# Altium PCB DSO.PcbDoc (part 1 of 2)
Units mil, origin at the board's own origin, x right, y up, seen from the top; angles counter-clockwise.
Board outline 4330.71 x 3937.01 mil, 2 copper layers (Top Layer, Bottom Layer), stack 61.855 mil thick; 136 components, 119 nets, 542 pads, 136 vias.
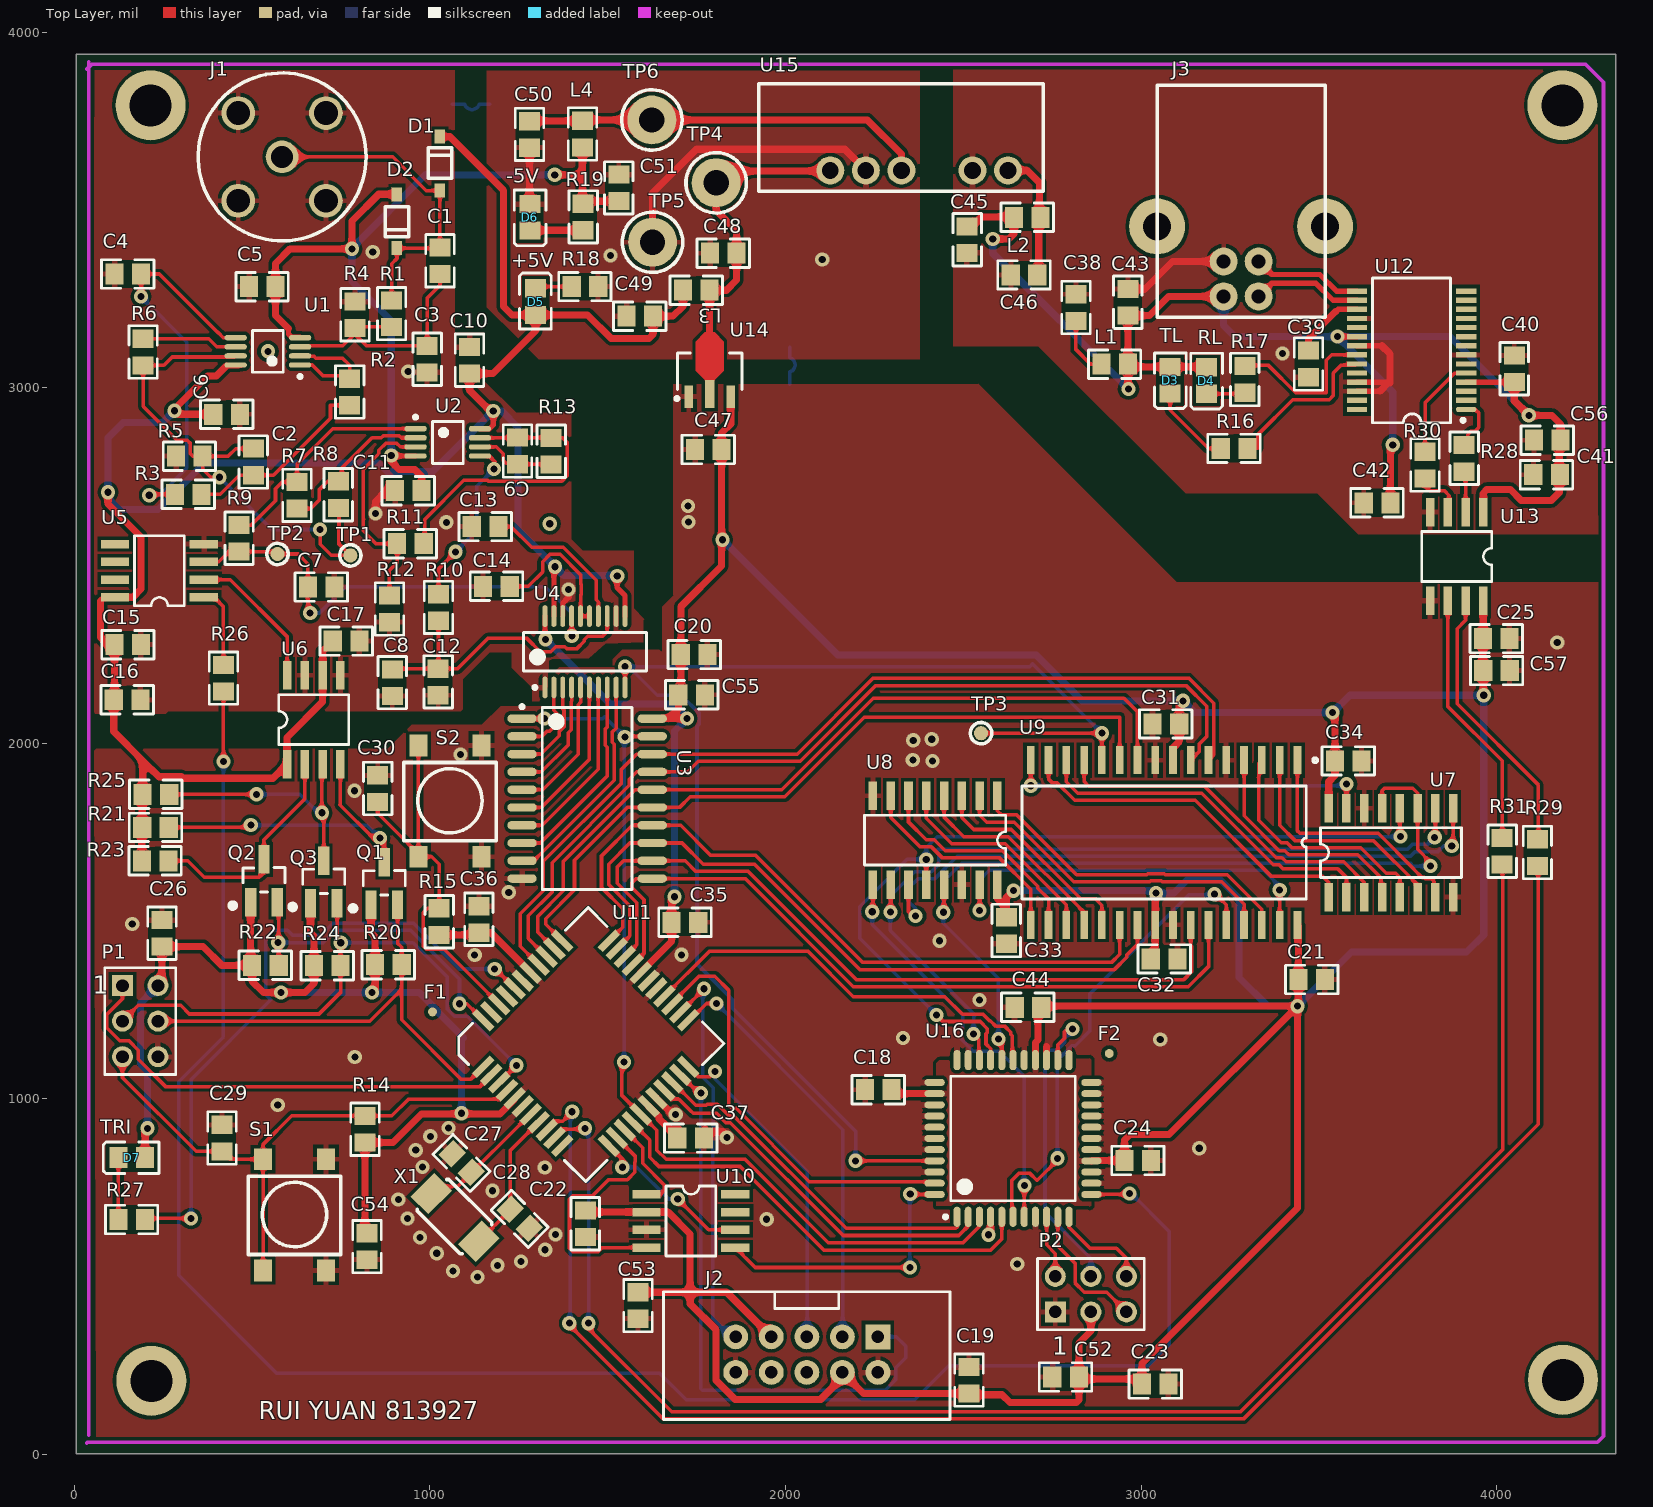
[diagram p0: Top Layer view]
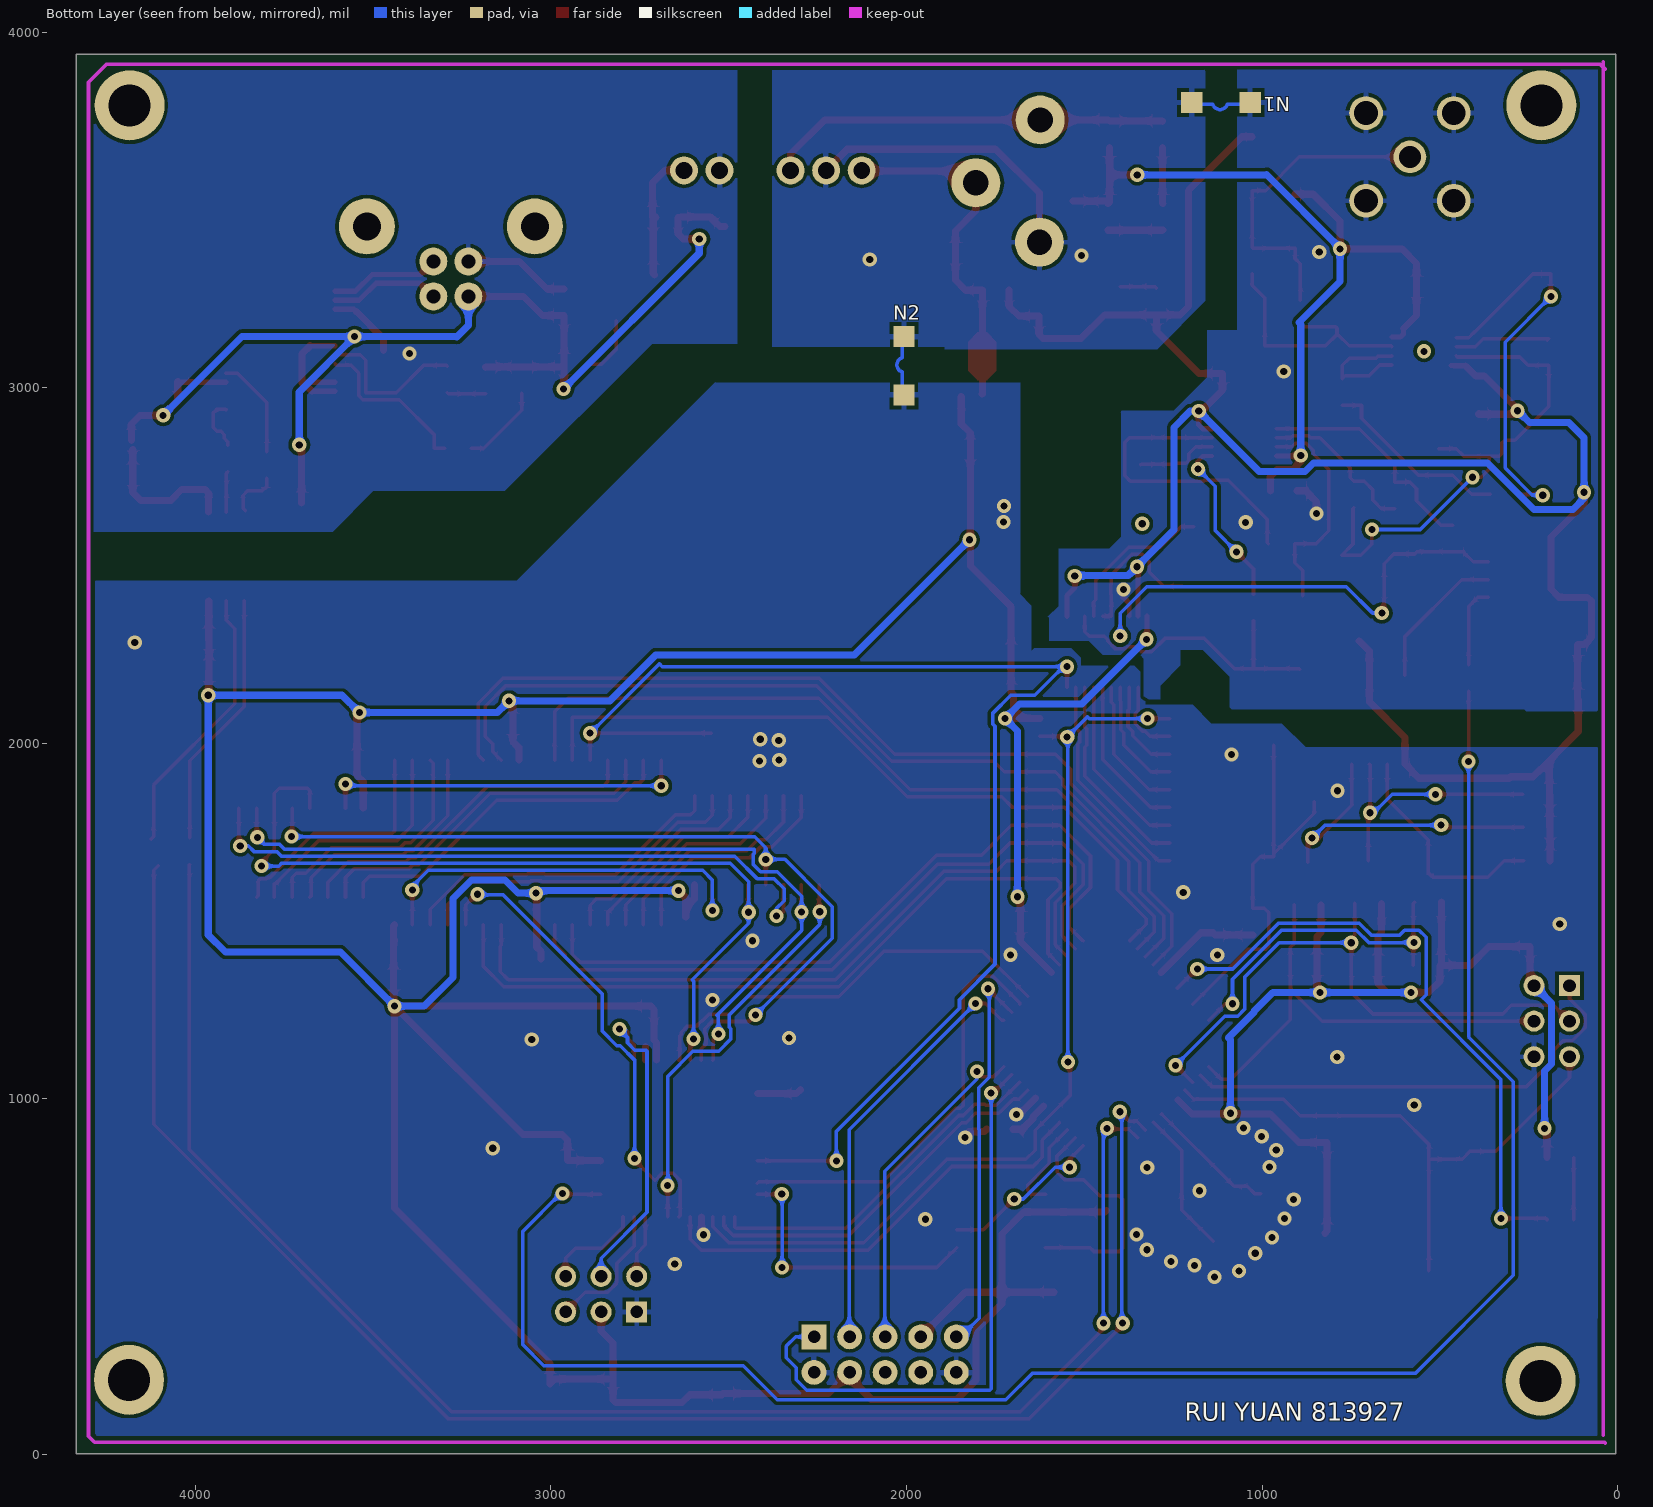
[diagram p1: Bottom Layer view, seen from below]
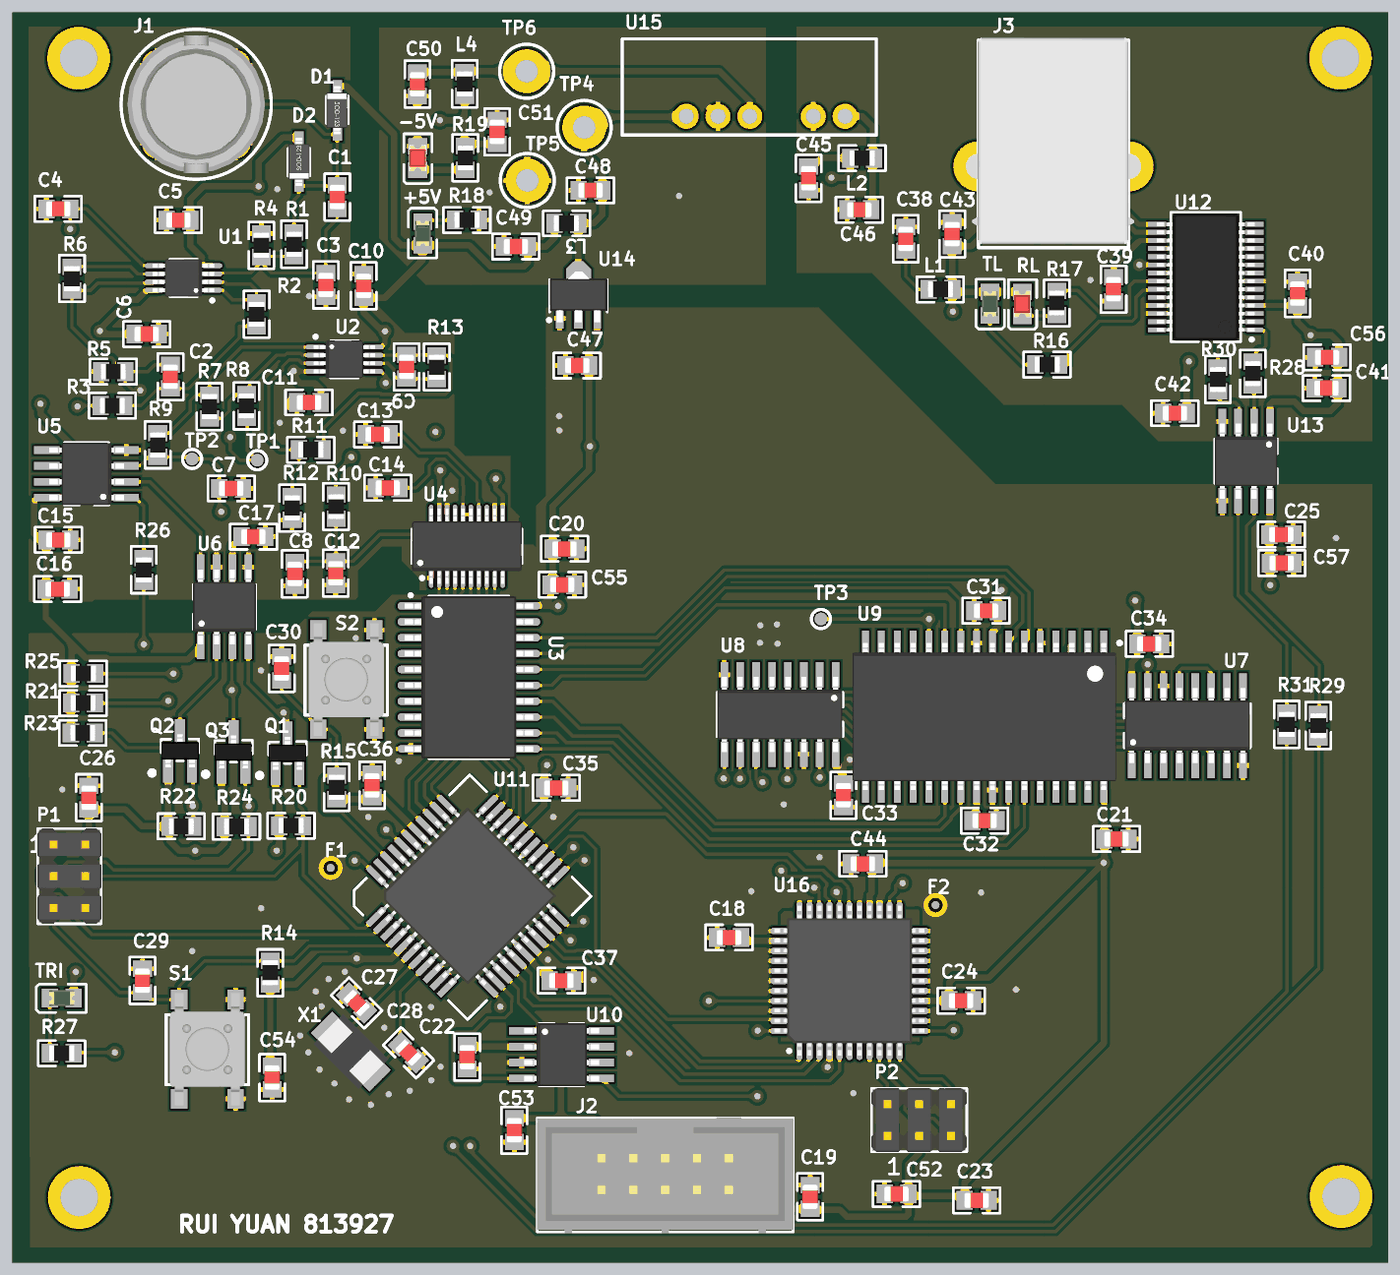
[diagram p3: 3D render of the assembled board from above, using the file's embedded part models]

## Layer stack, top to bottom
Top Solder: solder mask 0.4, Solder Resist, Dk 3.5
Top Layer: signal copper 1.4
Dielectric1: core 59.0551, FR-4, Dk 4.8
Bottom Layer: signal copper 1.4
Bottom Solder: solder mask 0.4, Solder Resist, Dk 3.5

## Board outline
4.84,1.84 4.84,3938.85 4335.55,3938.85 4335.55,1.84
cut-out: 7,3941

## Design rules (kind name [scope] priority, off if disabled: settings)
Clearance [All] p1: gap=10 ignorepadtopadclearanceinfootprint=FALSE
ComponentClearance [All] p1 off: gap=10 collisioncheckmode=3 verticalgap=10 showdistances=FALSE
DiffPairsRouting [All] p1: maxlimit=20 minlimit=10 mostfreqgap=10 toplayer_minwidth=15 toplayer_maxwidth=15 toplayer_prefwidth=15 bottomlayer_minwidth=15 bottomlayer_maxwidth=15 bottomlayer_prefwidth=15 maxuncoupledlength=500
FabricationTestPointUsage TestPointUsage [All] p1: valid=0 allowmultiple=FALSE
FabricationTestpoint Testpoint [All] p1: side=3 testpointundercomponent=TRUE minsize=40 maxsize=100 preferedsize=60 minholesize=0 maxholesize=40 preferedholesize=32 testpointgrid=1 allowsidetop=TRUE allowsidebottom=TRUE usegrid=TRUE gridtolerance=0.01
Height [All] p1: minheight=0 maxheight=7874.02 prefheight=500
HoleSize [All] p1: absolutevalues=TRUE maxlimit=199 minlimit=15 maxpercent=80.000 minpercent=20.000
MinimumAnnularRing [All] p1: minimumring=5
PolygonConnect PolygonConnect_1 [(ObjectKind = 'Via')] p1: connectstyle=Direct reliefconductorwidth=10 reliefentries=4 polygonreliefangle="90 Angle" airgapwidth=10
PolygonConnect [All] p2: connectstyle=Relief reliefconductorwidth=15 reliefentries=4 polygonreliefangle="90 Angle" airgapwidth=10
PolygonConnect PolygonConnect_2 [(ObjectKind = 'Via') vs IsNamedPolygon('Bottom Layer-No Net') Or  IsNamedPolygon('Top Power') Or  IsNamedPolygon('TOP MCU VCC') Or  IsNamedPolygon('Top Analog') Or  IsNamedPolygon('Top USB') Or  IsNamedPolygon('Top Digital') Or  IsNamedPolygon('Top RAM VCC') Or  IsNamedPolygon('Bottom Power') Or  IsNamedPolygon('Bottom Analog') Or  IsNamedPolygon('Bottom Digital')] p3 off: connectstyle=Direct reliefconductorwidth=10 reliefentries=4 polygonreliefangle="90 Angle" airgapwidth=10
RoutingVias [All] p1: holewidth=15 width=25 viastyle="Through Hole" minholewidth=15 minwidth=25 maxholewidth=80 maxwidth=100
SilkToSolderMaskClearance SilkscreenOverComponentPads [IsPad] p1: minsilkscreentomaskgap=10 clearancetoexposedcopper=TRUE
SolderMaskExpansion [All] p1: expansion=6
Width POWER [InNetClass('POWER')] p1: maxlimit=30 minlimit=10 preferedwidth=20
Width "normal width" [All] p2: maxlimit=20 minlimit=8 preferedwidth=10
23 further rules are at their usual default settings.

## Classes and differential pairs
component class U_DSO_Control: C27 C28 C29 C30 C31 C32 C33 C34 C35 C36 C37 D7 F1 J2 P1 R14 R15 R27 S1 S2 U11 X1
component class U_DSO_Trig: C15 C16 C17 Q1 Q2 Q3 R20 R21 R22 R23 R24 R25 R26 U5 U6
component class U_DSO_ADC: C7 C8 C9 C10 C11 C12 C13 C14 C55 R7 R8 R9 R10 R11 R12 R13 TP2 U2 U3 U4
net class ADC_D[0..7]: ADC_D0 ADC_D1 ADC_D2 ADC_D3 ADC_D4 ADC_D5 ADC_D6 ADC_D7
net class ADC_A[0..15]: ADC_A0 ADC_A1 ADC_A2 ADC_A3 ADC_A4 ADC_A5 ADC_A6 ADC_A7 ADC_A8 ADC_A9 ADC_A10 ADC_A11 ADC_A12 ADC_A13 ADC_A14 ADC_A15
component class U_DSO_RAM: C24 C25 TP3 U9
component class U_DSO_Power: +5V C45 C46 C47 C48 C49 C50 C51 D5 D6 L2 L3 L4 N1 N2 R18 R19 TP4 TP5 TP6 U14 U15
component class U_DSO_IO: C38 C39 C40 C41 C42 C43 C44 C56 C57 D3 D4 J3 L1 R16 R17 R28 R29 R30 R31 U12 U13
component class U_DSO_Front: C1 C2 C3 C4 C5 C6 D1 D2 J1 R1 R2 R3 R4 R5 R6 TP1 U1
component class U_DSO_Counters: C18 C19 C20 C21 C22 C23 U7 U8
component class U_DSO_Clock: C26 U10
component class U_DSO_CPLD: C52 C53 C54 F2 P2 U16
differential pair USBD: +USBD_P -USBD_N

## Components (designator, comment, footprint, x,y, rotation, side; value= is the part's Value field where it differs from the comment)
C1 "5pf" 0805C 1028,3358 r270 top
C2 "18pF" 0805C 503,2792 r270 top
C3 "5pf" 0805C 992,3081 r270 top
C4 "4.7pF" 0805C 150,3320.6 r180 top
C5 "10uF" 0805C 528,3285 r180 top
C6 "100nF" 0805C 428,2926 r0 top
C7 "47pf" 0805C 694,2440 r0 top
C8 "100nf" 0805C 894,2171 r90 top
C9 "100nf" 0805C 1246,2823 r270 top
C10 "10uF" 0805C 1111,3078 r90 top
C11 "10uF" 0805C 939,2711 r180 top
C12 "100nf" 0805C 1023,2173 r90 top
C13 "100nf" 0805C 1155,2610 r0 top
C14 "100nf" 0805C 1186.8,2442 r0 top
C15 "100nF" 0805C 150,2278 r0 top
C16 "10uF" 0805C 148,2123 r0 top
C17 "100nF" 0805C 764,2288 r0 top
C18 "100nF" 0805C 2261,1026 r180 top
C19 "100nF" 0805C 2516,209 r90 top
C20 "100nF" 0805C 1743,2250 r0 top
C21 "100nF" 0805C 3480,1336 r0 top
C22 "100nF" 0805C 1437,649 r270 top
C23 "100nF" 0805C 3040,198 r0 top
C24 "100nF" 0805C 2991,827 r0 top
C25 "100nF" 0805C 3999,2295 r0 top
C26 "100nF" 0805C 246,1466 r90 top
C27 "18pF" 0805C 1089,820 r135 top
C28 "18pF" 0805C 1252.19,663.24 r315 top
C29 "100nF" 0805C 415,890 r90 top
C30 "100nF" 0805C 853,1873 r90 top
C31 "100nF" 0805C 3070,2055 r180 top
C32 "100nF" 0805C 3065,1394 r0 top
C33 "100nF" 0805C 2621,1474 r270 top
C34 "100nF" 0805C 3583,1951 r0 top
C35 "100nF" 0805C 1717,1497 r0 top
C36 "100nF" 0805C 1137.62,1505 r90 top
C37 "100nF" 0805C 1733,890 r0 top
C38 "100nF" 0805C 2817,3226 r90 top
C39 "100nF" 0805C 3471,3067.61 r270 top
C40 "100nF" 0805C 4050,3054 r90 top
C41 "100nF" 0805C 4141,2756 r180 top
C42 "100nF" 0805C 3664,2677 r180 top
C43 "100nF" 0805C 2963,3241 r90 top
C44 "100nF" 0805C 2682,1258 r180 top
C45 "100nF" 0805C 2511,3417 r270 top
C46 "100nF" 0805C 2671,3318 r180 top
C47 "100nF" 0805C 1783,2827 r180 top
C48 "10uf" 0805C 1825,3379 r180 top
C49 "100nF" 0805C 1590,3202 r180 top
C50 "10uf" 0805C 1280,3713 r90 top
C51 "100nF" 0805C 1531,3563 r270 top
C52 "100nF" 0805C 2788,218 r180 top
C53 "100nF" 0805C 1585,419 r270 top
C54 "100nF" 0805C 823,585 r270 top
C55 "100nF" 0805C 1736,2137 r0 top
C56 "1uF" 0805C 4143,2853 r180 top
C57 "1uF" 0805C 4000,2205 r0 top
D1 "Diode" SOD-123 1028,3631 r270 top
D2 "Diode" SOD-123 907,3469 r90 top
D3 "TX" 0805D-GREEN 3082,3022 r90 top
D4 "RX" 0805D-RED 3184,3021 r90 top
D5 "TX" 0805D-GREEN 1297,3243 r270 top
D6 "RX" 0805D-RED 1281,3480.19 r90 top
D7 "TX" 0805D-GREEN 161,835 r0 top
F1 "Fiducial" Fiducial 1007,1245 r0 top
F2 "Fiducial" Fiducial 2910.67,1128 r0 top
J1 "INPUT" BNC_VERT 584,3650 r0 top
J2 "JTAG" BOXEDVERT10 2260,331 r180 top
J3 "USB" USBPLUG 3045.57,3198.52 r0 top
L1 "300mA" 0805 2926,3067 r180 top
L2 "300mA" 0805 2680,3480 r180 top
L3 "300mA" 0805 1749,3275 r0 top
L4 "300mA" 0805 1429,3714 r90 top
N1 "NET-TIE" NET-TIE 1118,3803 r180 bottom net-tie
N2 "NET-TIE" NET-TIE 2007,3065 r270 bottom net-tie
P1 "Header 3x2" HDR3x2 185,1219 r270 top
P2 "Header 3x2" HDR3x2 2859,451 r0 top
Q1 "RTR025N03TL" SOT23 871.4,1606 r90 top
Q2 "RTR025N03TL" SOT23 533,1614 r90 top
Q3 "RTR025N03TL" SOT23 701.4,1610 r90 top
R1 "510k" 0805 892,3209 r90 top
R2 "1k" 0805 774,2988.6 r90 top
R3 "1k" 0805 320,2701 r0 top
R4 "510k" 0805 789,3206 r270 top
R5 "100K" 0805 323,2808 r0 top
R6 "100" 0805 193,3101 r90 top
R7 "100" 0805 626,2698 r270 top
R8 "301" 0805 742,2700 r270 top
R9 "39" 0805 463,2577 r90 top
R10 "50" 0805 1024,2382.6 r90 top
R11 "330" 0805 945,2562 r180 top
R12 "100k" 0805 886,2378.6 r270 top
R13 "1k" 0805 1341,2822 r90 top
R14 "10k" 0805 817,915 r270 top
R15 "10k" 0805 1026,1499 r270 top
R16 "1k" 0805 3262,2830 r180 top
R17 "1k" 0805 3292,3024 r270 top
R18 "1k" 0805 1436,3285.2 r180 top
R19 "1k" 0805 1431,3481 r90 top
R20 "1k" 0805 883,1377.73 r180 top
R21 "1k" 0805 228,1764 r180 top
R22 "1k" 0805 537,1376 r180 top
R23 "1k" 0805 227,1670 r180 top
R24 "1k" 0805 711,1375 r180 top
R25 "1k" 0805 229,1857 r180 top
R26 "1k" 0805 419,2183.6 r90 top
R27 "330" 0805 161,661 r180 top
R28 "120" 0805 3909,2802 r90 top
R29 "120" 0805 4115,1693 r90 top
R30 "120" 0805 3799,2783 r90 top
R31 "120" 0805 4016,1696.87 r90 top
S1 "RESET" "SPST PB SWITCH SMD" 619,674 r90 top
S2 "RESET" "SPST PB SWITCH SMD" 1056,1838 r90 top
TP1 "INPUT" Testpoin 776,2529 r0 top value=Input
TP2 "INPUT" Testpoin 571,2533 r90 top value=Input
TP3 "INPUT" Testpoin 2550,2029 r90 top value=Input
TP4 "-5" "PIN 1.8mm" 1805,3577 r0 top
TP5 "GND" "PIN 1.8mm" 1626,3410 r0 top
TP6 "+5" "PIN 1.8mm" 1624,3754 r0 top
U1 "LT1819" MSOP-8 544,3103 r180 top
U2 "LT1819" MSOP-8 1050,2847 r0 top
U3 "74HC541" SOT163-1_N 1442,1845 r0 top
U4 "ADS830E" TI-DBQ20_L 1436,2258 r90 top
U5 "MAX9032" SOIC-8 239,2486 r180 top
U6 "MCP4901" SOIC-8 673,2067 r90 top
U7 "74HC590" SOIC-16 3703,1693 r90 top
U8 "74HC590" SOIC-16 2421,1728 r270 top
U9 "CY7C1019D" TSOP-32 3065,1721.5 r270 top
U10 "PT7C4511" SOIC-8 1734,657 r0 top
U11 "ATMEGA16" QFP-48 1437.96,1156.41 r45 top
U12 "FT232RL" SSOP-28 3761,3106 r180 top
U13 "Si8421" SOIC-8 3888,2526 r270 top
U14 "MCP1700T-3302E/MB" SOT89 1787,3050 r90 top
U15 "RD0505D" SIP_NMG 2626,3612 r270 top
U16 "XC9536XL-10VQ44C" VQ44_L 2640,889 r90 top
X1 "10Mhz" XTAL_FLAT_SMD 1070.46,666.78 r315 top

## Footprints (in the part's own frame and the unit in brackets; to place one, negate y for a bottom-side part, rotate by r counter-clockwise, add the part's x,y. Pads: shape width x height; smd on the part's side, far side on the other; paste and mask are expansions set on the pad)
0805 [mm] "0805 Footprint"
  rect 1.3x1.5 smd: 1(-0.95,0) 2(0.95,0)
  silkscreen extent -1.87,-1.02 1.88,1.02, body extent -1,-0.63 1,0.62, height 0.5
0805C [mm] "0805 Footprint"
  rect 1.3x1.5 smd: 1(-0.95,0) 2(0.95,0)
  silkscreen extent -1.87,-1.02 1.88,1.02, body extent -1,-0.62 1,0.63, height 0.78
0805D-GREEN [mm] "0805 Diode"
  rect 1.3x1.5 smd: A(0.95,0) K(-0.95,0)
  silkscreen extent -2.03,-1.14 1.95,1.12, body extent -1.01,-0.62 1.01,0.63, height 1.1
0805D-RED [mm] "0805 Diode RED"
  rect 1.3x1.5 smd: A(0.95,0) K(-0.95,0)
  silkscreen extent -2.03,-1.14 1.95,1.12, body extent -1.05,-0.67 1.05,0.68, height 0.9
BNC_VERT [mil] "BNC vertical connector"
  round 92 hole 62: 1(0,0)
  round 95 hole 67: 2(-123.23,-123.23) 3(123.23,-123.23) 4(123.23,123.23) 5(-123.23,123.23)
  silkscreen extent -236,-236 236,236, body extent -217,-217 217,217, height 539
BOXEDVERT10 [mil] "IDC Header 2.54mm Boxed 10 pins"
  rect 70x70 hole 35.43: 1(0,0)
  round 70 hole 35.43: 2(0,100) 3(100,0) 4(100,100) 5(200,0) 6(200,100) 7(300,0) 8(300,100) 9(400,0) 10(400,100)
  silkscreen extent -203,-127 603,232, body extent -204,-129 604,237, height 359
Fiducial [mil]
  round 25 smd mask+25: ""(0,0)
HDR3x2 [mm] "Connector; Header; 8x2 Position"
  rect 1.5x1.5 hole 0.9: 1(-2.54,-1.27)
  round 1.5 hole 0.9: 2(-2.54,1.27) 3(0,-1.27) 4(0,1.27) 5(2.54,-1.27) 6(2.54,1.27)
  silkscreen extent -3.81,-2.54 3.81,2.54, body extent -3.81,-2.54 3.81,2.54, height 9.5
MSOP-8 [mm] "TSOP, 8-Leads, Body 3.00x3.00mm, Pitch 0.65mm, IPC Low Density"
  oval 1.6x0.38 smd: 1(-2.3,0.975) 2(-2.3,0.325) 3(-2.3,-0.325) 4(-2.3,-0.975) 5(2.3,-0.975) 6(2.3,-0.325) 7(2.3,0.325) 8(2.3,0.975)
  silkscreen extent -2.43,-1.5 1.1,1.92, body extent -2.45,-1.5 2.45,1.5, height 1.1
NET-TIE [mil]
  rect 60x60 smd mask+0: 0(-80,0) 1(85,0)
  Top Layer lines w10: 55,-5 20,-5 cw(c0,0.83) -20,-5 -50,-5
"PIN 1.8mm" [mm] "Single Pin"
  round 3.5 hole 1.8: 1(0,0)
  silkscreen extent -2.16,-2.16 2.16,2.16
QFP-48 [mm]
  rect 1.8x0.5 smd: 1(-6.35,4) 2(-6.35,3.2) 3(-6.35,2.4) 4(-6.35,1.6) 5(-6.35,0.8) 6(-6.35,0) 7(-6.35,-0.8) 8(-6.35,-1.6) 9(-6.35,-2.4) 10(-6.35,-3.2) 11(-6.35,-4) 23(6.35,-4) 24(6.35,-3.2) 25(6.35,-2.4) 26(6.35,-1.6) 27(6.35,-0.8) 28(6.35,0) 29(6.35,0.8) 30(6.35,1.6) 31(6.35,2.4) 32(6.35,3.2) 33(6.35,4)
  rect 0.5x1.8 smd: 12(-4,-6.35) 13(-3.2,-6.35) 14(-2.4,-6.35) 15(-1.6,-6.35) 16(-0.8,-6.35) 17(0,-6.35) 18(0.8,-6.35) 19(1.6,-6.35) 20(2.4,-6.35) 21(3.2,-6.35) 22(4,-6.35) 34(4,6.35) 35(3.2,6.35) 36(2.4,6.35) 37(1.6,6.35) 38(0.8,6.35) 39(0,6.35) 40(-0.8,6.35) 41(-1.6,6.35) 42(-2.4,6.35) 43(-3.2,6.35) 44(-4,6.35)
  silkscreen extent -6.99,-6.98 6.98,6.73, body extent -5.97,-6 6.03,6, height 1.13
SIP_NMG [mm] "SIP for NMG DC to DC"
  round 2 hole 1.2: 1(0,0) 2(0,-2.54) 3(0,-7.62) 4(0,-10.16) 5(0,-12.7)
  silkscreen extent -6.2,-17.82 1.5,2.5, body extent -6.2,-17.8 1.5,2.5, height 10.2
SOD-123 [mm] "SMD diode"
  rect 1x0.75 smd: A(1.925,0) K(-1.925,0)
  silkscreen extent -1.12,-0.85 1.05,0.85, body extent -1.93,-0.86 1.92,0.84, height 1.42
SOIC-8 [mil] "SOIC-8 Footprint"
  rect 80x24 smd: 1(-125,75) 2(-125,25) 3(-125,-25) 4(-125,-75) 5(125,-75) 6(125,-25) 7(125,25) 8(125,75)
  silkscreen extent -70,-98 70,98, body extent -118,-98 118,98, height 69
SOIC-16 [mil] "SOIC-16 Footprint"
  rect 80x24 smd: 1(-125,175) 2(-125,125) 3(-125,75) 4(-125,25) 5(-125,-25) 6(-125,-75) 7(-125,-125) 8(-125,-175) 9(125,-175) 10(125,-125) 11(125,-75) 12(125,-25) 13(125,25) 14(125,75) 15(125,125) 16(125,175)
  silkscreen extent -70,-198 70,198, body extent -118,-197 118,197, height 69
SOT23 [mil] "SOT23, 3-Leads, Body 3.0x2.5mm (max), Pitch 0.95mm, IPC Low Density"
  rect 80.24x31.5 smd: 1(-60,37.4)
  rect 80x31.5 smd: 2(-60,-37.4) 3(60,0)
  silkscreen extent -75,-59 37,93, body extent -52,-59 52,59, height 43
SOT89 [mm] "SOT89, 3-Leads, Body 4.50x2.50mm, Pitch 1.50mm, Lead Span 4.1mm, IPC Low Density"
  rect 1.6x0.6 smd: 1(-1.9,1.5) 3(-1.9,-1.5)
  rect 2x0.7 smd: 2(-1.7,0)
  Top Layer region: -0.7,0.35 -0.05,1 2.05,1 2.7,0.35 2.7,-0.35 2.05,-1 -0.05,-1 -0.7,-0.35
  silkscreen extent -2.15,-2.3 1.22,2.47, body extent -2.2,-2.3 1.85,2.3, height 1.6
SOT163-1_N [mm] "SOIC, 20-Leads, Body 12.7x7.5mm, Pitch 1.27mm, IPC Medium Density"
  oval 2.1x0.6 smd: 1(-4.65,5.715) 2(-4.65,4.445) 3(-4.65,3.175) 4(-4.65,1.905) 5(-4.65,0.635) 6(-4.65,-0.635) 7(-4.65,-1.905) 8(-4.65,-3.175) 9(-4.65,-4.445) 10(-4.65,-5.715) 11(4.65,-5.715) 12(4.65,-4.445) 13(4.65,-3.175) 14(4.65,-1.905) 15(4.65,-0.635) 16(4.65,0.635) 17(4.65,1.905) 18(4.65,3.175) 19(4.65,4.445) 20(4.65,5.715)
  silkscreen extent -4.77,-6.5 3.2,6.69, body extent -5.15,-6.5 5.15,6.5, height 2.65
"SPST PB SWITCH SMD" [mm] "Push Button Switch Surface Mount"
  rect 1.55x1.3 smd: 1(-3.975,2.25) 1(3.975,2.25) 2(-3.975,-2.25) 2(3.975,-2.25)
  silkscreen extent -2.83,-3.3 2.76,3.3, body extent -4.5,-3 4.5,3, height 5
SSOP-28 [mm] "Line Driver"
  oval 1.45x0.38 smd: 1(-3.9,4.225)
  rect 1.45x0.38 smd: 2(-3.9,3.575) 3(-3.9,2.925) 4(-3.9,2.275) 5(-3.9,1.625) 6(-3.9,0.975) 7(-3.9,0.325) 8(-3.9,-0.325) 9(-3.9,-0.975) 10(-3.9,-1.625) 11(-3.9,-2.275) 12(-3.9,-2.925) 13(-3.9,-3.575) 14(-3.9,-4.225) 15(3.9,-4.225) 16(3.9,-3.575) 17(3.9,-2.925) 18(3.9,-2.275) 19(3.9,-1.625) 20(3.9,-0.975) 21(3.9,-0.325) 22(3.9,0.325) 23(3.9,0.975) 24(3.9,1.625) 25(3.9,2.275) 26(3.9,2.925) 27(3.9,3.575) 28(3.9,4.225)
  silkscreen extent -3.8,-5.18 2.79,5.18, body extent -3.9,-5.1 3.9,5.1, height 2
Testpoin [mil] "Testpoint"
  round 40 smd: 1(0,0)
  silkscreen extent -30,-30 30,30
TI-DBQ20_L [mm] "SOP, 20-Leads, Body 8.65x3.9mm, Pitch 0.635mm, IPC High Density"
  oval 1.55x0.35 smd: 1(-2.55,2.857) 2(-2.55,2.222) 3(-2.55,1.587) 4(-2.55,0.952) 5(-2.55,0.317) 6(-2.55,-0.318) 7(-2.55,-0.953) 8(-2.55,-1.588) 9(-2.55,-2.222) 10(-2.55,-2.857) 11(2.55,-2.857) 12(2.55,-2.222) 13(2.55,-1.587) 14(2.55,-0.952) 15(2.55,-0.317) 16(2.55,0.318) 17(2.55,0.953) 18(2.55,1.588) 19(2.55,2.222) 20(2.55,2.857)
  silkscreen extent -2.67,-4.4 1.38,4.4, body extent -3,-4.4 3,4.4, height 1.75
TSOP-32 [mm]
  rect 2x0.55 smd: 1(-5.88,9.525) 2(-5.88,8.255) 3(-5.88,6.985) 4(-5.88,5.715) 5(-5.88,4.445) 6(-5.88,3.175) 7(-5.88,1.905) 8(-5.88,0.635) 9(-5.88,-0.635) 10(-5.88,-1.905) 11(-5.88,-3.175) 12(-5.88,-4.445) 13(-5.88,-5.715) 14(-5.88,-6.985) 15(-5.88,-8.255) 16(-5.88,-9.525) 17(5.88,-9.525) 18(5.88,-8.255) 19(5.88,-6.985) 20(5.88,-5.715) 21(5.88,-4.445) 22(5.88,-3.175) 23(5.88,-1.905) 24(5.88,-0.635) 25(5.88,0.635) 26(5.88,1.905) 27(5.88,3.175) 28(5.88,4.445) 29(5.88,5.715) 30(5.88,6.985) 31(5.88,8.255) 32(5.88,9.525)
  silkscreen extent -6.03,-10.16 4.05,10.94, body extent -5.88,-10.55 5.88,10.55, height 1.2
USBPLUG [mm]
  round 2 hole 1: 1(4.75,1.5) 2(7.25,1.5) 3(7.25,4) 4(4.75,4)
  round 4 hole 2: ""(0,6.5) ""(12,6.5)
  silkscreen extent 0,0 12,16.6, body extent -1.52,0.29 13.45,16.79, height 11.06
VQ44_L [mm] "Thin QFP, 44-Leads, Body 10x10mm, Pitch 0.8mm, IPC High Density"
  oval 1.45x0.5 smd: 1(-5.6,4) 2(-5.6,3.2) 3(-5.6,2.4) 4(-5.6,1.6) 5(-5.6,0.8) 6(-5.6,0) 7(-5.6,-0.8) 8(-5.6,-1.6) 9(-5.6,-2.4) 10(-5.6,-3.2) 11(-5.6,-4) 23(5.6,-4) 24(5.6,-3.2) 25(5.6,-2.4) 26(5.6,-1.6) 27(5.6,-0.8) 28(5.6,0) 29(5.6,0.8) 30(5.6,1.6) 31(5.6,2.4) 32(5.6,3.2) 33(5.6,4)
  oval 0.5x1.45 smd: 12(-4,-5.6) 13(-3.2,-5.6) 14(-2.4,-5.6) 15(-1.6,-5.6) 16(-0.8,-5.6) 17(0,-5.6) 18(0.8,-5.6) 19(1.6,-5.6) 20(2.4,-5.6) 21(3.2,-5.6) 22(4,-5.6) 34(4,5.6) 35(3.2,5.6) 36(2.4,5.6) 37(1.6,5.6) 38(0.8,5.6) 39(0,5.6) 40(-0.8,5.6) 41(-1.6,5.6) 42(-2.4,5.6) 43(-3.2,5.6) 44(-4,5.6)
  silkscreen extent -5.72,-4.45 4.45,4.95, body extent -5.97,-6 6.03,6, height 1.13
XTAL_FLAT_SMD [mm]
  rect 1.8x2.4 smd: 1(-2.412,0) 2(2.413,0)
  silkscreen extent -2.33,-1.59 2.21,1.6, body extent -2.58,-1.68 2.58,1.68, height 1.35

## Part data
C1 C2 C3 C4 C5 C6 C7 C8 C9 C10 C11 C12 C13 C14 C15 C16 C17 C18 C19 C20 C21 C22 C23 C24 C25 C26 C27 C28 C29 C30 C31 C32 C33 C34 C35 C36 C37 C38 C39 C40 C41 C42 C43 C44 C45 C46 C47 C48 C49 C50 C51 C52 C53 C54 C55 C56 C57: library part C, "Capacitor", Reviewed by="RM - 2018/08/05", Revision="July-2002: Re-released for DXP Platform."
D1 D2: library part D, Reviewed by="RM - 2018/08/05", Revision="July-2002: Re-released for DXP Platform."
D3 D5 D7: library part "LED GREEN", "Light Emitting Diode", Supplier Part Number 1=160-1423-1-ND, Reviewed by="RM - 2018/08/05", Revision="July-2002: Re-released for DXP Platform.", Supplier 1=Digi-Key
D4 D6: library part "LED RED", "Light Emitting Diode", Supplier Part Number 1=475-1415-1-ND, Reviewed by="RM - 2018/08/05", Revision="July-2002: Re-released for DXP Platform.", Supplier 1=Digi-Key
J1: library part BNC, "BNC Straight", Supplier Part Number 1=A97581-ND, Reviewed by="RM - 2018/08/05", Supplier 1=Digi-Key
J2: library part JTAG_CON, "JTAG_CON", Supplier Part Number 1=OR896-ND, Reviewed by="RM - 2018/08/05", Supplier 1=Digi-Key
J3: library part USBPLUG, "USB B Type Connector", Supplier Part Number 1=609-1039-ND, Reviewed by="RM - 2018/08/05", Supplier 1=Digi-Key
L1 L2 L3 L4: library part I, "Inductor", Reviewed by="RM - 2018/08/05"
P1 P2: "Header, 5-Pin", Supplier Part Number 1=952-2121-ND, Reviewed by="RM - 2018/08/05", Supplier 1=Digi-Key
Q1 Q2 Q3: library part MOSFET-N, "N-Channel MOSFET", PackageDocument=1995/1996, LatestRevisionDate=17-Jul-2002, LatestRevisionNote="Re-released for DXP Platform.", PackageReference=E3, Published=8-Jun-2000, Publisher="Altium Limited"
R1 R2 R3 R4 R5 R6 R7 R8 R9 R10 R11 R12 R13 R14 R15 R16 R17 R18 R19 R20 R21 R22 R23 R24 R25 R26 R27 R28 R29 R30 R31: library part R, "Resistor", Reviewed by="RM - 2018/08/05"
S1 S2: library part SW_PB_1P1T4, "Momentary Push Button Switch 1P 1T 2pins", Supplier Part Number 1=CKN9085CT-ND, Reviewed by="RM - 2018/08/05", Revision="July-2002: Re-released for DXP Platform.", Supplier 1=Digi-Key
TP1 TP2 TP3: library part "Test Point", "Pad"
TP4 TP5 TP6: library part WIRE, "Pad"
U1 U2: "OpAmp High Frequency Dual", Supplier Part Number 1=LT1819CMS8#PBF-ND, Reviewed by="RM - 2018/08/05", Supplier 1=Digi-Key
U3: "(ADV) Octal Buffer, Line Driver", Supplier Part Number 1=296-1202-1-ND, Reviewed by="RM - 2018/08/05", Supplier 1=Digi-Key
U4: "8-Bit, 60 MSPS ADC Single-Ended / Differential Input, Internal / External Reference and Programmble Input Range, -40 to 85 degC, 20-pin SOP (DBQ20), Green (RoHS & no Sb/Br)", Supplier Part Number 1=ADS830E-ND, ComponentLink1Description="Manufacturer URL", ComponentLink1URL=http://www.ti.com/, ComponentLink2Description=Datasheet, ComponentLink2URL=http://www.ti.com/general/docs/lit/getliterature.tsp?genericPartNumber=ADS830&fileType=pdf, ComponentLink3Description="Package Specification", ComponentLink3URL=http://www.ti.com/litv/pdf/mpds210a, Reviewed by="RM - 2018/08/05", Supplier 1=Digi-Key
U5: "Dual Comparator", Supplier Part Number 1=MAX9032ASA-ND, Reviewed by="RM - 2018/08/05", Supplier 1=Digi-Key
U6: "DAC 8bit SPI", Supplier Part Number 1=MCP4901-E/SN-ND, Reviewed by="RM - 2018/08/05", Supplier 1=Digi-Key
U7 U8: "8-Bit Binary Counter Register", Supplier Part Number 1=296-17132-1-ND, ComponentLink1Description="Manufacturer Link", ComponentLink1URL=http://www.st.com/, ComponentLink2Description=Datasheet, ComponentLink2URL=http://www.st.com/stonline/products/literature/ds/1986/m74hc590.pdf, Reviewed by="RM - 2018/08/05", Supplier 1=Digi-Key
U9: "SRAM 128k x 8", Supplier Part Number 1=428-1967-ND, Reviewed by="RM - 2018/08/05", Supplier 1=Digi-Key
U10: "PLL Clock Multiplier", Supplier Part Number 1=PT7C4511WEXDICT-ND, Reviewed by="RM - 2018/08/05", Supplier 1=Digi-Key
U11: "ATMEGA16 Microcontroller", Supplier Part Number 1=ATMEGA16A-AU-ND, Reviewed by="RM - 2018/08/05", Supplier 1=Digi-Key
U12: "USB to Serial bridge", Supplier Part Number 1=768-1007-1-ND, Reviewed by="RM - 2018/08/05", Supplier 1=Digi-Key
U13: "Dual Channel Digital Isolator Both Ways", Supplier Part Number 1=336-1755-5-ND, Reviewed by="RM - 2018/08/05", Supplier 1=Digi-Key
U14: library part MCP1700T, "Low Quiescent Current LDO, 3-Pin SOT-89, Extended Temperature, Tape and Reel", Supplier Part Number 1=MCP1700T3302EMBCT-ND, Reviewed by="RM - 2018/08/05", Supplier 1=Digi-Key
U15: "(ADV) DC to DC converter 5V in +-5V out", Supplier Part Number 1=945-1136-ND, Reviewed by="RM - 2018/08/05", Supplier 1=Digi-Key
U16: library part XC9536XL-10VQG44C, "FastFLASH XC900XL, 3.3V High-Performance 36 Macrocell CPLD, 34 User I/Os, 44-Pin VQFP, Speed Grade 10, Commercial Grade", Supplier Part Number 1=122-1385-ND, Reviewed by="RM - 2018/08/05", Supplier 1=Digi-Key
X1: library part XTAL, "Crystal Oscillator", Supplier Part Number 1=887-1080-1-ND, Reviewed by="RM - 2018/08/05", Revision="July-2002: Re-released for DXP Platform.", Supplier 1=Digi-Key

## Free pads (board coordinates)
  round 196.85 hole 118.11: ""(214,3795) ""(216,207) ""(4185,3795) ""(4187,210)

## Via types
v1: diameter 40, hole 20, Top Layer to Bottom Layer, tented both sides, 134 vias
v2: diameter 40/40 (per signal layer), hole 20, Top Layer to Bottom Layer, tented both sides, 2 vias

## Nets (pads, with @x,y where several pads share a name; then routed paths per layer and width w, separated by ;. In a path a pad name is that pad's centre, name@x,y a point inside that pad or via, vN(x,y) a via of type N, cw(c..) or ccw(c..) an arc to the next point about the centre after c; other vN are vias at no path point)
3v3: C39.1 U12.17 | length 204.2
  Top Layer w14.96: 3548,3215 3554.16,3221.16 U12.17@3607.46,3221.16
  Top Layer w20: C39.1@3471,3105.02 3471,3138.5 3547.5,3215 3548,3215
ADC_A0: U7.15 U9.16 | length 1030.1
  Top Layer w10: v1(2690,1880.98) U9.16@2690,1952.99 ; U7.15@3578,1818 v1(3578,1886)
  Bottom Layer w10: v1(2690,1880.98) 3572.98,1880.98 v1(3578,1886)
ADC_A1: U7.1 U9.15 | length 1002.5
  Top Layer w10: U9.15@2740,1952.99 2740,1900 2751,1889 2764.72,1889 2813.72,1840 3153,1840 3367,1626 3511,1626 3528,1609 U7.1@3528,1568
ADC_A2: U7.2 U9.14 | length 1015.4
  Top Layer w10: U9.14@2790,1952.99 2790,1892 2822,1860 3170.43,1860 3371.75,1658.68 3388.18,1658.68 3399.86,1647 3554,1647 3578,1623 U7.2@3578,1568
ADC_A3: U7.3 U9.13 | length 1006.6
  Top Layer w10: U9.13@2840,1952.99 2840,1893 2853,1880 3178.72,1880 3380.03,1678.68 3396.47,1678.68 3408.15,1667 3570,1667 3628,1609 U7.3@3628,1568
ADC_A4: U7.4 U9.4 | length 668.7
  Top Layer w10: U9.4@3290,1952.99 3290,1797 3388.32,1698.68 3404.75,1698.68 3416.43,1687 3610,1687 3675,1622 3675,1571 U7.4@3678,1568
ADC_A5: U7.5 U9.3 | length 691.8
  Top Layer w10: U9.3@3340,1952.99 3331,1943.99 3331,1784.28 3394.28,1721 3410.72,1721 3424.72,1707 3618.28,1707 3690.28,1635 3717,1635 3728,1624 U7.5@3728,1568
ADC_A6: U7.6 U9.2 | length 674.7
  Top Layer w10: U9.2@3390,1952.99 3390,1770 3433,1727 3653.28,1727 3778,1602.28 U7.6@3778,1568
ADC_A7: U7.7 U9.1 | length 688.3
  Top Layer w10: U9.1@3440,1952.99 3440,1754 3447,1747 3667,1747 3767,1647 3767,1646.5 3790.5,1623 3796.21,1623 3799.21,1620 3817,1620 3824,1613 3824,1572 U7.7@3828,1568
ADC_A8: U8.15 U9.31 | length 1140.8
  Top Layer w10: v1(2546,1530) U8.15@2546,1603 ; U9.31@3390,1490 v1(3390,1588)
  Bottom Layer w10: v1(2546,1530) 2546,1616 2573,1643 3345,1643 3390,1598 v1(3390,1588)
ADC_A9: U8.1 U9.30 | length 947.1
  Top Layer w10: U8.1@2596,1853 2596,1811 2608,1799 2650.71,1799 2818.71,1631 3016.22,1631 3019.22,1634 3064.78,1634 3067.78,1631 3242.78,1631 3340,1533.78 U9.30@3340,1490
ADC_A10: U8.2 U9.29 | length 963
  Top Layer w10: U8.2@2546,1853 2546,1798 2566,1778 2643.42,1778 2810.42,1611 3024.5,1611 3027.5,1614 3056.5,1614 3059.5,1611 3227,1611 3290,1548 U9.29@3290,1490
ADC_A11: U8.3 U9.21 | length 612.3
  Top Layer w10: U8.3@2496,1853 2496,1792 2530,1758 2635.14,1758 2830.14,1563 2872,1563 2890,1545 U9.21@2890,1490
ADC_A12: U8.4 U9.20 | length 599.9
  Top Layer w10: U8.4@2446,1853 2446,1793 2501,1738 2626.85,1738 2840,1524.85 U9.20@2840,1490
ADC_A13: U8.5 U9.19 | length 614.4
  Top Layer w10: U8.5@2396,1853 2396,1790 2468,1718 2618.57,1718 2790,1546.57 U9.19@2790,1490
ADC_A14: U8.6 U9.18 | length 633.6
  Top Layer w10: U8.6@2346,1853 2346,1779 2396,1729 2418.78,1729 2449.78,1698 2610.28,1698 2710,1598.28 2710,1593 2740,1563 U9.18@2740,1490
ADC_A15: U8.7 U9.17 | length 638.7
  Top Layer w10: U8.7@2296,1853 2296,1792 2379,1709 2410.5,1709 2441.5,1678 2602,1678 2690,1590 U9.17@2690,1490
ADC_CLK: TP3.1 U4.10 U9.12 U16.41 | length 3827.6
  Top Layer w10: U4.10@1548.5,2157.61 v1(1548.5,2216) v1@1548.5,2221.5 ; v1(2197,826) U16.41@2419.53,826.01 ; TP3.1@2550,2029 v1(2890,2029) U9.12@2890,1952.99
  Bottom Layer w10: v1(1548.5,2216) v1@1559,2216 ; v1(2197,826) 2197,909 1851,1255 1851,1279.5 1751,1379.5 1751,2048.5 1758,2055.5 1758,2084.5 1706.5,2136 1639,2136 v1@1559,2216 ; v1(2890,2029) 2695,2224 2687,2216 v1@1559,2216
ADC_CM: C14.2 U4.15 U4.16 | length 420
  Top Layer w10: C14.2@1224.2,2442 1276.5,2442 1317,2482.5 1317,2511.5 1337.5,2532 1366.5,2532 1423.5,2475 1423.5,2449 1425,2447.5 1425,2418.5 1423.5,2417 U4.16@1423.5,2358.39 U4.15@1448.5,2358.39
ADC_D0: U3.18 U9.6 U11.37 | length 2656.6
  Top Layer w10: U11.37@1305.73,1377.73 1254,1429.46 1254,1521 1318.65,1585.65 1318.65,1668.36 1538.5,1888.22 1538.5,1927.5 1581,1970 U3.18@1625.07,1970 2033,1970 2246,2183 3135,2183 3205,2113 3205,1967.99 U9.6@3190,1952.99
ADC_D1: U3.17 U9.7 U11.36 | length 2566
  Top Layer w10: U11.36@1328,1400 1276.5,1451.5 1276.5,1515.21 1343.49,1582.2 1343.49,1664.92 1560.68,1882.11 1560.68,1898.68 1582,1920 U3.17@1625.07,1920 1725,1920 1755,1950 2041.28,1950 2254.28,2163 3126.72,2163 3185,2104.72 3185,2019.4 3164.17,1998.58 3164.17,1977.17 U9.7@3140,1952.99
ADC_D2: U3.16 U9.10 U11.35 | length 2252.1
  Top Layer w10: U11.35@1350.27,1422.27 1303,1469.54 1303,1513.43 1374.98,1585.42 1374.98,1668.13 1576.85,1870 U3.16@1625.07,1870 1989.57,1870 2246.57,2127 2952,2127 2990,2089 U9.10@2990,1952.99
ADC_D3: U3.15 U9.11 U11.34 | length 2101.1
  Top Layer w10: U11.34@1372.54,1444.54 1325.15,1491.93 1325.15,1507.3 1406.48,1588.63 1406.48,1671.34 1555.14,1820 U3.15@1625.07,1820 1702,1820 1732,1850 1997.85,1850 2221.59,2073.73 2940,2073.73 U9.11@2940,1952.99
ADC_D4: U3.14 U9.22 U11.33 | length 2025.3
  Top Layer w10: U11.33@1503.38,1444.54 1542,1483.16 1542,1535.5 1482.5,1595 1482.5,1683.5 1569,1770 U3.14@1625.07,1770 1705,1770 1790,1685 1916.28,1685 2217.28,1384 2917,1384 2940,1407 U9.22@2940,1490
ADC_D5: U3.13 U9.23 U11.32 | length 2025.6
  Top Layer w10: U11.32@1525.66,1422.27 1562,1458.61 1562,1543.78 1502.5,1603.28 1502.5,1660.5 1562,1720 U3.13@1625.07,1720 1709,1720 1769,1660 1913,1660 2209,1364 2925.28,1364 2960,1398.72 2960,1405 2990,1435 U9.23@2990,1490
ADC_D6: U3.12 U9.26 U11.31 | length 2193.2
  Top Layer w10: U11.31@1547.93,1400 1582,1434.07 1582,1552.07 1527,1607.07 1527,1652.5 1544.5,1670 U3.12@1625.07,1670 1718,1670 1748,1640 1895.28,1640 2199.28,1336 3120.73,1336 3142.99,1358.26 3142.99,1429.74 3140,1432.73 U9.26@3140,1490
ADC_D7: U3.11 U9.27 U11.30 | length 2152
  Top Layer w10: U11.30@1570.2,1377.73 1602,1409.53 1602,1560.35 1567,1595.35 1567,1607 1580,1620 U3.11@1625.07,1620 1887,1620 2191,1316 3133.27,1316 3190,1372.73 U9.27@3190,1490
ADC_REFB: C8.2 C12.2 R10.1 U4.13 | length 865.1
  Top Layer w10: C8.2@894,2208.4 896,2210.4 C12.2@1023,2210.4 ; R10.1@1024,2345.2 1024,2211.4 C12.2@1023,2210.4 ; U4.13@1498.5,2358.39 1498.5,2314.5 1485.26,2301.26 1443.75,2301.26 1434,2291.5 1434,2287.5 1413.5,2267 1384.5,2267 1379.5,2272 1353.5,2272 1339.5,2258 1310.5,2258 1273,2295.5 1162.5,2295.5 1077.4,2210.4 C12.2@1023,2210.4
ADC_REFT: C13.2 U4.14 | length 440.9
  Top Layer w10: C13.2@1192.4,2610 1228,2610 1286,2552 1374.78,2552 1468,2458.78 1468,2404.33 1473.5,2398.83 U4.14@1473.5,2358.39
ADC_RSEL: C6.1 C10.1 C15.1 C16.1 C17.1 C49.1 D1.K D5.A L3.1 R21.2 R23.2 R25.2 U1.8 U2.8 U4.11 U4.19 U5.8 U6.1 U6.6 | length 6792.2
  Top Layer w13.78: U4.19@1348.5,2358.39 v1@1348.5,2493.5 ; v1(1526.71,2471) 1512.22,2471 1526,2457.22 1526,2438.78 1548.39,2416.39 U4.11@1548.39,2357.39
  Top Layer w13.96: U1.8@461.32,3062.72 U1.8@468.02,3062.72
  Top Layer w14.96: U1.8@427.09,3062.09 U1.8@460.69,3062.09 ; U2.8@1140.55,2885.39 1167.39,2885.39 1178,2896 v1(1178,2935)
  Top Layer w20: v1(94,2706.76) 94,2674 187.39,2580.61 187.39,2434.39 164,2411 U5.8@114,2411 84,2411 73.61,2400.61 73.61,2298.39 94,2278 C15.1@112.6,2278 112.6,2125 C16.1@110.6,2123 110.6,2033.4 191.6,1952.4 ; R23.2@189.6,1670 189.6,1763 R21.2@190.6,1764 190.6,1856 R25.2@191.6,1857 191.6,1952.4 ; C6.1@389,2927.6 C6.1@390.6,2926 291,2926 v1(281,2936) 281,2941 374,3034 399,3034 U1.8@427.09,3062.09 ; C17.1@726.6,2288 698,2259.4 U6.6@698,2192 698,2117.16 598,2017.16 U6.1@598,1942 558.24,1902.24 304.57,1902.24 300.28,1906.53 237.47,1906.53 191.6,1952.4 ; D1.K@1028,3706.79 1056.21,3706.79 1207,3556 1207,3229 1230.4,3205.6 D5.A@1297,3205.6 ; v1(1178,2935) 1169.69,2935 1111,2993.69 C10.1@1111,3040.6 1177.6,3040.6 1297,3160 D5.A@1297,3205.6 ; v1@1348.5,2493.5 v1(1352,2497) ; L3.1@1711.6,3275 1711.6,3229.6 1684,3202 C49.1@1627.4,3202 1627.4,3150.4 1616,3139 1510,3139 1443.4,3205.6 D5.A@1297,3205.6
  Bottom Layer w20: v1(281,2936) 248,2903 137,2903 94,2860 v1(94,2706.76) 94,2689.63 125.25,2658.39 234.74,2658.39 365.36,2789 855.43,2789 879.43,2765 1008,2765 v1(1178,2935) 1202,2935 1248,2889 1248,2601 v1(1352,2497) 1376,2473 1524.71,2473 v1(1526.71,2471) 1505.85,2471 1504,2469.15
AGND: C3.2 C4.2 C5.2 C6.2 C7.2 C8.1 C10.2 C11.2 C12.1 C13.1 C14.1 C15.2 C16.2 C17.2 J1.2 J1.3 J1.4 J1.5 N1.1 R4.1 R5.1 R12.2 U4.1 U4.12 U4.18 U5.4 U6.5 U6.7 | length 181.9
  Top Layer w13.78: U4.18@1373.5,2358.39 1373.5,2395.47 1390,2411.97
  Top Layer w20: v1(847,2647) 847,2680 878,2711 C11.2@901.6,2711 ; 1390,2411.97 v1(1390,2433)
  other v1: 1046,2622 939,3046 839,3382.55
AVEE: C5.1 C11.1 C51.2 D2.A L4.1 R19.2 U1.4 U2.4 | length 2569.8
  Top Layer w14.96: 602,3167 602,3152.25 610.98,3143.28 U1.4@634.55,3143.28 ; v1@899.61,2808.61 U2.4@959.45,2808.61
  Top Layer w20: 602,3167 565.4,3203.6 C5.1@565.4,3285 565.4,3350.54 606.25,3391.39 v1(780.39,3391.39) 780.39,3469.39 855.79,3544.79 D2.A@907,3544.79 ; v1@899.61,2808.61 898.23,2810 v1(891,2810) 891,2793 913,2771 957,2771 976.4,2751.6 C11.1@976.4,2711 ; v1(1351,3599.5) 1429,3599.5 ; L4.1@1429,3676.6 1429,3599.5 ; C51.2@1531,3525.6 1440.2,3525.6 1433,3518.4 1429,3522.4 1429,3599.5
  Bottom Layer w20: v1(780.39,3391.39) 780.39,3299.61 896,3184 891,3179 v1(891,2810) ; v1@783,3396 987.39,3600.39 988.27,3599.5 v1(1351,3599.5)
CH1_BUF: C2.1 R5.2 R6.1 R8.2 TP1.1 U1.7 | length 1505.2
  Top Layer w10: v1(408,2749) 383.47,2749 360.4,2772.07 R5.2@360.4,2808 ; U1.7@453.45,3090.2 450.34,3087.09 275.09,3087.09 251.6,3063.6 R6.1@193,3063.6 193,2948 288.47,2852.53 317.4,2852.53 326.19,2843.74 326.19,2814.81 333,2808 R5.2@360.4,2808 ; C2.1@503,2829.4 453.4,2829.4 432,2808 R5.2@360.4,2808 ; v1(690.85,2601.87) 690.85,2560.15 722,2529 TP1.1@776,2529 744,2561 744,2660.6 R8.2@742,2662.6
  Bottom Layer w10: v1(408,2749) 555.13,2601.87 v1(690.85,2601.87)
CH1_NORM: C7.1 R9.1 TP2.1 U4.17 U5.3 | length 1391
  Top Layer w10: U5.3@364,2511 406,2511 434.6,2539.6 R9.1@463,2539.6 564.4,2539.6 TP2.1@571,2533 629,2533 656.6,2505.4 C7.1@656.6,2440 656.6,2373.4 v1(663,2367) ; U4.17@1398.5,2358.39 1398.5,2295.5 1399,2296 v1(1399,2302)
  Bottom Layer w10: v1(663,2367) 689,2367 763,2441 1324,2441 1399,2366 v1(1399,2302)